# KiCad board ThunderKillV1.kicad_pcb (continued)
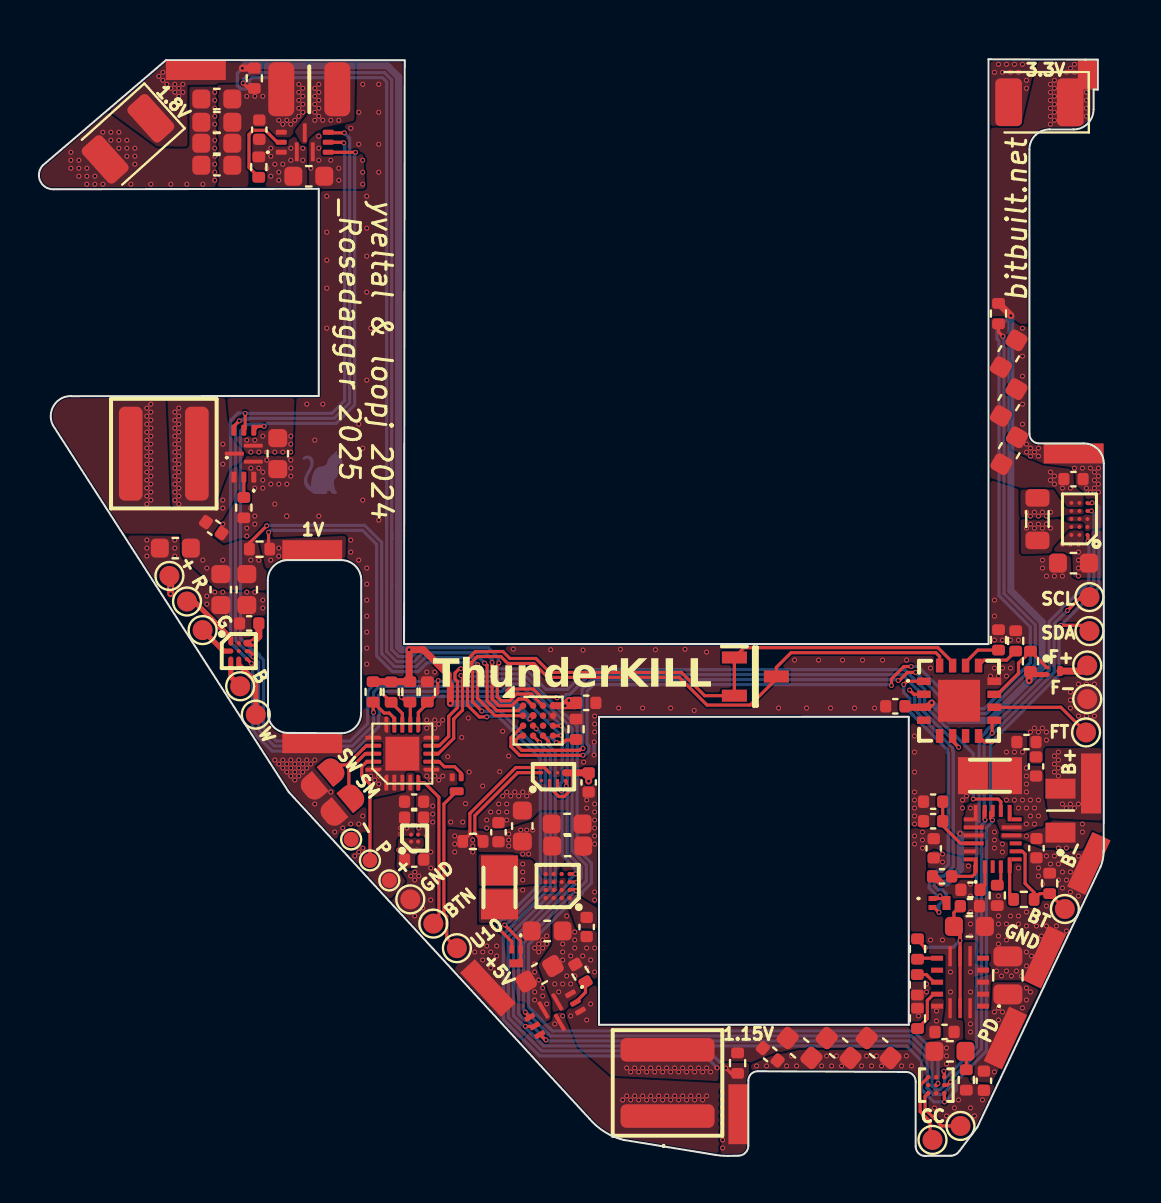
[diagram p0: board, top side]
## Nets
+1V0: R16.2 TP4.1 U8.B1
+1V8: C5.1 R4.1 R5.1 R13.2 R33.2 TP2.1 U8.A2 U8.B2
+1V8_ALW: C25.1 C47.2 TP10.1 U5.4 U6.A2
+1V15: R32.2 TP3.1 U8.D3
+3V3: C49.1 C189.1 IC2.3 Q4.2 R9.2 R34.2 TP1.1 U8.C1
+5V: IC6.B2 R35.2 TP26.1
GND: C1.2 C2.2 C3.2 C4.2 C5.2 C6.2 C7.2 C8.2 C9.2 C10.2 C11.2 C12.2 C13.2 C14.2 C15.2 C16.2 C17.2 C18.2 C19.2 C20.2 C21.2 C22.2 C23.2 C25.2 C26.2 C27.2 C28.2 C29.2 C30.2 C32.2 C33.2 C34.2 C35.2 C36.2 C37.1 C38.2 C39.2 C40.2 C41.2 C42.2 C43.2 C44.2 C46.1 C47.1 C48.1 C49.2 C50.2 C189.2 IC1.14 IC1.15 IC1.22 IC2.12 IC2.17 IC3.A2 IC3.B2 IC3.C2 IC4.A2 IC5.1 IC5.2 IC5.3 IC5.13 IC6.C2 JP1.1 JP2.1 Q1.2 R1.2 R2.2 R3.2 R7.1 R8.2 R10.2 R11.2 R14.2 R15.2 R17.2 R18.2 R19.2 TP5.1 TP7.1 TP11.1 TP22.1 TP25.1 TP28.1 TP31.1 U1.1 U1.2 U2.1 U2.2 U3.1 U3.2 U4.B1 U4.C1 U4.C2 U4.C3 U5.1 U5.2 U5.3 U5.6 U5.10 U5.15 U5.16 U5.20 U5.21 U6.B2 U8.B4 U9.C2
VBUS: C37.2 C44.1 C45.1 IC1.18 IC5.8 IC5.14 U9.A2
VDD: C1.1 C7.1 C15.1 C16.1 C22.1 C26.1 C34.1 C41.1 C46.2 C48.2 C50.1 IC1.9 IC3.A3 IC3.A4 IC4.A3 IC6.B1 IC6.D2 L6.2 TP27.1 U1.3 U2.3 U3.3 U4.A2 U4.A3 U6.A1 U6.B1 U8.A4 U9.A3
+BATT: C36.1 F1.1 IC1.8
ALERT: IC2.6 R13.1 U5.12
BQ_INT: IC1.11 U5.9
BTN: TP30.1 U5.5
EN: IC3.B1 R7.2 U1.4 U2.4 U3.4 U4.A1 U5.11
PD_INT: U5.8 U9.B2
SAFEMODE: JP1.2 U5.18
SCL: IC1.13 IC2.9 IC3.C1 IC4.B3 IC6.D1 R5.2 TP9.1 U1.6 U2.6 U3.6 U4.D1 U5.14 U8.C4 U9.B3
SDA: IC1.12 IC2.8 IC3.D1 IC4.C3 IC6.C1 R4.2 TP8.1 U1.5 U2.5 U3.5 U4.E1 U5.13 U8.D4 U9.C3
SW/BTN: JP2.2 U5.17
U10: Q1.3 TP6.1
UPDI: TP12.1 U5.19
Net-(C45-Pad2): C45.2 R19.1
Net-(F1-Pad2): F1.2 TP24.1
Net-(IC1-BTST_1): C31.2 IC1.1 IC1.19
Net-(IC1-D+): IC1.5 IC1.20 R12.1
Net-(IC1-ILIM): IC1.4 R10.1
Net-(IC1-PMID): C32.1 C33.1 IC1.17
Net-(IC1-REGN): C35.1 IC1.2
Net-(IC1-STAT_1): IC1.10 IC1.21
Net-(IC1-SW): C31.1 IC1.16 L6.1
Net-(IC1-TS): IC1.6 R12.2 R14.1 TP23.1
Net-(IC2-DN1): IC2.1 Q2.1 Q2.3
Net-(IC2-DN2/DP3): IC2.15 Q3.1 Q3.2 Q5.2
Net-(IC2-DP1): IC2.2 Q2.2
Net-(IC2-DP2/DN3): IC2.16 Q3.3 Q5.1 Q5.3
Net-(IC2-PWM): IC2.11 Q4.1 R9.1
Net-(IC2-SHDN_SEL): IC2.13 R17.1
Net-(IC2-TACH): IC2.10 TP21.1
Net-(IC2-TRIP_SET): IC2.14 R15.1
Net-(IC3-CAP): C28.1 IC3.A1
Net-(IC3-HVLX_1): IC3.C3 IC3.C4 L5.2
Net-(IC3-LVLX_1): IC3.B3 IC3.B4 L5.1
Net-(IC3-OUT_1): C29.1 C30.1 C38.1 C39.1 IC3.D3 IC3.D4 IC6.A2 R35.1
Net-(IC4-OUT0): IC4.A1 TP18.1
Net-(IC4-OUT1): IC4.B1 TP19.1
Net-(IC4-OUT2): IC4.C1 TP15.1
Net-(IC4-OUT3): IC4.C2 TP17.1
Net-(IC5-EN): C27.1 C40.1 IC5.4 IC5.6 IC5.16 TP14.1
Net-(IC5-FLTB): IC5.9 R20.1
Net-(IC5-ILIM): IC5.11 R11.1
Net-(IC5-MOUT_1): C42.1 C43.1 IC5.7 IC5.15 R20.2
Net-(IC5-VLIM): IC5.12 R18.1
Net-(Q1-G): Q1.1 U5.7
Net-(Q4-D): Q4.3 TP20.1
Net-(U1-SW): L1.1 U1.7
Net-(U1-VOS): C2.1 C3.1 C4.1 C6.1 L1.2 R16.1 U1.8 U8.A1
Net-(U1-VSET): R1.1 U1.9
Net-(U2-SW): L2.1 U2.7
Net-(U2-VOS): C8.1 C9.1 C10.1 C11.1 L2.2 R32.1 U2.8 U8.D2
Net-(U2-VSET): R2.1 U2.9
Net-(U3-SW): L3.1 U3.7
Net-(U3-VOS): C17.1 C18.1 C19.1 C20.1 C21.1 L3.2 R33.1 U3.8 U8.A3
Net-(U3-VSET): R3.1 U3.9
Net-(U4-LX1): L4.1 U4.B2 U4.B3
Net-(U4-LX2): L4.2 U4.D2 U4.D3
Net-(U4-VOUT): C12.1 C13.1 C14.1 C23.1 R34.1 U4.E2 U4.E3 U8.D1
Net-(U8-ADDRSEL): R8.1 U8.C2
Net-(U9-CC1): TP16.1 U9.C1
Net-(U9-CC2): TP13.1 U9.A1

Pads without a net: IC1 3 7; IC2 4 5 7; IC3 D2; IC4 B2; IC5 5 10; IC6 A1; U8 B3 C3; U9 B1

## Via types
v1: diameter 0.25, hole 0.15, Top to Bottom, 867 vias

## Routing (per net, layer and track width the routed paths; a pad name or vN(x,y) marks a point on that pad's centre or on a via; arc(x,y) is an arc through that point)
+1V0: length 22.1
  Top w0.16: v1(21.89,24.57) 21.88,24.56 21.88,22.89 22.75,22.02 U8.B1 ; v1(11.43,31.19) 11.43,30.41 R16.2
  Bottom w0.16: v1(11.43,31.19) 11.53,31.29 16.13,31.29 16.84,30.58 16.84,25.02 17.63,24.23 18.92,24.23 19.37,24.67 21.79,24.67 v1(21.89,24.57)
  vias: v1(11.54,29.8) v1(11.94,30.4) v1(11.94,30)
+1V8: length 97.4
  Top w0.16: v1(22.61,24.68) 22.61,22.87 22.96,22.52 23.6,22.52 23.94,22.85 24.33,22.85 U8.A2 ; v1(24.51,21.86) U8.B2
  Top w0.35: v1(10.12,54.4) 10.13,54.41 R33.2 ; v1(20.53,22.64) 20.53,23.55 20.41,23.67 20.41,24.08 19.18,25.32 v1(18.46,25.32) 18.46,23.76 R13.2 R5.1 ; U8.B2 24.66,22.03
  Bottom w0.16: v1(22.62,24.68) 22.62,24.82 22.27,25.17 19.16,25.17 18.71,24.73 17.84,24.73 17.34,25.22 17.34,31.63 17.34,31.63 17.34,53.72 17.13,53.93 10.61,53.93 10.47,53.79 10.47,53.54 10.29,53.37 10.04,53.37 9.87,53.54 9.87,54.15 v1(10.12,54.4)
  Bottom w0.35: 24.48,21.89 23.73,22.64 21.94,22.64 21.93,22.64 v1(20.53,22.64) ; v1(18.46,25.32) 18.08,25.32 17.94,25.47 17.94,25.49 17.93,25.6 17.94,25.9 17.94,28.39 17.94,28.4 17.94,28.54 17.94,30.71 17.94,30.71 17.94,31.28 17.94,31.29 17.94,53.96 17.48,54.42 17.38,54.52 10.25,54.53 v1(10.12,54.4)
  vias: v1(5.94,54) v1(6.14,54.2) v1(6.14,53.8) v1(6.34,53.6) v1(6.54,53.4) v1(6.74,53.6) v1(6.74,53.2) v1(6.94,53.4) v1(6.94,53) v1(7.14,53.6) v1(7.14,53.2)
+1V8_ALW:
  vias: v1(18.04,16.4) v1(18.04,16.1) v1(18.34,16.4)
+1V15: length 28
  Top w0.16: v1(34.3,4.39) 34.56,4.13 R32.2 ; v1(25.43,20.61) 25.43,20.75 U8.D3
  Bottom w0.16: v1(34.3,4.39) 34.17,4.53 34.17,4.53 33.99,4.7 33.99,4.7 33.44,5.25 25.09,5.25 24.67,5.67 24.35,5.99 24.35,5.99 23.91,6.43 23.91,6.43 23.74,6.61 23.74,6.61 23.42,6.92 23.42,10.97 23.46,11.01 23.47,11.01 23.79,11.33 25.77,13.32 25.77,20.19 25.43,20.53 v1(25.43,20.61)
  vias: v1(34.14,3.2) v1(34.14,2.8) v1(34.14,2.4) v1(34.14,2) v1(34.14,1.6) v1(34.14,1.2) v1(34.14,0.8) v1(34.14,0.4)
+3V3: length 80.5
  Top w0.16: v1(27.16,20.04) 23.99,20.04 23.55,20.48 23.55,20.92 24.15,21.52 U8.C1 24.16,21.53 ; v1(43.58,24.48) 43.21,24.48 42.59,23.86 v1(42.59,23.53)
  Top w0.254: R9.2 49.7,24.08 Q4.2
  Top w0.35: R34.2 47.95,42.64 v1(48.56,42.03) ; R9.2 49.48,24.17 v1(49.48,23.77) ; 44.6,22.64 44.4,22.44 IC2.3 43.31,22.44 C49.1
  Bottom w0.16: v1(48.56,42.03) 47.87,41.34 47.87,40.86 47.97,40.76 47.97,28.02 49.53,26.46 49.53,24.67 47.24,22.37 46.03,22.37 43.92,24.48 v1(43.58,24.48) ; v1(27.16,20.04) 27.24,20.04 27.46,20.26 27.46,20.5 27.37,20.59 27.37,23.25 27.69,23.57 42.58,23.57 42.59,23.56 v1(42.59,23.53)
  Bottom w0.35: v1(44.6,22.67) 45.49,21.78 47.48,21.78 v1(49.48,23.77) 50.13,24.42 50.13,26.7 48.56,28.27 v1(48.56,42.03)
  vias: v1(50.54,53.6) v1(50.54,53.2) v1(50.54,52.8) v1(50.54,52.4) v1(50.54,52) v1(50.54,51.6) v1(50.74,53.8) v1(50.74,53.4) v1(50.74,53) v1(50.74,52.6) v1(50.74,52.2) v1(50.74,51.8) v1(51.34,54.2) v1(51.54,54.4) v1(51.74,54.6) v1(51.74,54.2) v1(52.34,53.2) v1(52.34,52.8) v1(52.34,52.4) v1(52.34,52)
+5V: length 6.6
  Top w0.16: R35.2 21.5,16.09 21.5,17.13 23.8,19.43 25.23,19.43 IC6.B2
  vias: v1(20.74,16) v1(20.74,15.6) v1(20.74,15.2) v1(21.64,15.8) v1(21.64,15.5) v1(21.64,15.2) v1(21.74,10.2) v1(22.14,10.2) v1(22.14,9.8) v1(22.34,10.5) v1(22.54,10.2) v1(22.54,9.4) v1(22.84,10.5) v1(22.84,10)
GND: length 1
  Top w0.35: C23.2 48.87,35.94 ; C39.2 27.17,15.18
  Bottom w0.16: v1(27.71,20.05) 27.71,20.69 v1(27.72,20.7)
  vias: v1(1.54,50.2) v1(1.54,49.8) v1(1.54,49.4) v1(1.94,49.8) v1(1.94,49.4) v1(1.94,49) v1(2.34,49.4) v1(2.34,49) v1(2.34,48.6) v1(2.74,49) v1(2.74,48.6) v1(3.14,51.2) v1(3.14,48.6) v1(3.54,51.2) v1(3.54,50.8) v1(3.94,51.2) v1(3.94,50.8) v1(3.94,50.4) v1(4.34,50.8) v1(4.34,50.4) v1(4.34,50) v1(4.54,48.6) v1(4.74,50.4) v1(4.74,50) v1(4.74,49.6) v1(5.34,30.8) v1(5.34,30.4) v1(5.34,30) v1(5.54,48.6) v1(6.54,48.6) v1(6.74,30.8) v1(6.74,30.4) v1(6.74,30) v1(7.34,48.6) v1(8.14,48.6) v1(8.34,28) v1(8.34,27.6) v1(8.74,53.2) v1(8.74,52.8) v1(8.74,52.4) v1(8.74,52) v1(8.74,51.6) v1(8.74,51.2) v1(8.74,50.8) v1(8.74,50.4) v1(8.74,50) v1(8.74,49.6) v1(8.74,49.2) v1(8.74,48.8) v1(8.74,28.2) v1(9.14,31.6) v1(9.14,28.2) v1(9.14,26.8) v1(10.34,31.4) v1(10.34,31) v1(10.34,28.2) v1(10.54,34.4) v1(10.54,32.4) v1(10.74,33.4) v1(10.74,32) v1(10.74,31.6) v1(10.74,28.2) v1(10.94,34.4) v1(11.14,34.2) v1(11.14,33.8) v1(11.14,33.4) v1(11.14,27.8) v1(11.14,27.4) v1(11.34,49.4) v1(11.34,34.8) v1(11.54,50.4) v1(11.54,50) v1(11.54,49) v1(11.54,33.6) v1(11.74,49.6) v1(11.74,32.6) v1(11.74,19.8) v1(11.94,49.2) v1(11.94,48.8) v1(11.94,33.6) v1(11.94,19.6) v1(12.14,49.6) v1(12.14,19.8) v1(12.14,19.4) v1(12.34,33.6) v1(12.34,32) v1(12.34,32) v1(12.34,19.6) v1(12.34,19.2) v1(12.54,50.4) v1(12.54,49.8) v1(12.54,34.8) v1(12.54,34.4) v1(12.54,34) v1(12.54,19.8) v1(12.54,19.4) v1(12.54,19) v1(12.74,19.6) v1(12.74,19.2) v1(12.74,18.8) v1(12.94,19.8) v1(12.94,19.4) v1(12.94,19) v1(13.14,50.4) v1(13.14,49.8) v1(13.14,19.6) v1(13.14,19.2) v1(13.34,37.6) v1(13.34,19.8) v1(13.34,19.4) v1(13.54,19.6) v1(13.74,35.8) v1(13.74,19.8) v1(13.74,17.6) v1(13.94,32) v1(14.14,37.6) v1(14.34,48) v1(14.34,46.2) v1(14.34,44.8) v1(14.34,43.4) v1(14.34,41.4) v1(14.54,18.2) v1(14.74,16.2) v1(15.14,16.4) v1(15.54,51.4) v1(15.54,30.8) v1(15.54,30.2) v1(15.54,16.6) v1(15.74,15) v1(15.94,52.2) v1(15.94,50.6) v1(15.94,36.6) v1(15.94,29.8) v1(15.94,16.6) v1(15.94,15.2) v1(16.14,53.6) v1(16.14,35.4) v1(16.14,32.8) v1(16.14,17) v1(16.14,15.4) v1(16.34,48) v1(16.34,46.4) v1(16.34,45) v1(16.34,43.2) v1(16.34,38.8) v1(16.34,29.4) v1(16.34,28.6) v1(16.34,27.8) v1(16.34,27) v1(16.34,26.2) v1(16.34,25.4) v1(16.34,24.6) v1(16.54,41.4) v1(16.54,19) v1(16.74,18.8) v1(16.94,53.6) v1(16.94,52.2) v1(16.94,50.6) v1(16.94,49.2) v1(16.94,31.8) v1(16.94,19) v1(16.94,18.6) v1(18.54,14) v1(18.74,14.2) v1(18.74,13.8) v1(18.74,12) v1(18.94,16.4) v1(18.94,14) v1(19.14,12.4) v1(19.34,24.2) v1(19.34,21.8) v1(19.34,21.4) v1(19.34,19) v1(19.34,16.4) v1(19.34,16) v1(19.54,21.6) v1(19.54,18.8) v1(19.54,15.2) v1(19.54,14.4) v1(19.54,12.8) v1(19.64,17.5) v1(19.64,17.1) v1(19.64,16.7) v1(19.74,24.2) v1(19.74,21.8) v1(19.74,21.4) v1(19.74,19) v1(19.94,21.6) v1(19.94,18.8) v1(20.14,21.8) v1(20.14,19) v1(20.39,19.97) v1(20.54,16.7) v1(21.09,20.93) v1(21.14,16.7) v1(21.28,17.62) v1(21.42,21.9) v1(21.46,19.2) v1(22.14,18.5) v1(22.34,16.8) v1(22.34,16.4) v1(22.54,17.2) v1(22.99,19.22) v1(22.94,17.6) v1(22.94,17.2) v1(23.14,21.24) v1(23.14,18) v1(23.34,18.2) v1(23.34,17.6) v1(23.34,17.2) v1(23.34,16.8) v1(23.44,20) v1(23.54,18) v1(23.67,25.35) v1(23.74,18.2) v1(23.94,18) v1(24.14,18.2) v1(24.34,18) v1(24.54,18.2) v1(25.54,25.32) v1(25.74,8.6) v1(25.94,8.2) v1(26.14,10.6) v1(26.14,10.2) v1(26.14,9.8) v1(26.14,8.6) v1(26.34,12) v1(26.34,9) v1(26.54,10) v1(26.54,8.6) v1(26.74,11.2) v1(26.74,10.8) v1(26.74,10.4) v1(26.74,9) v1(27.16,25.3) v1(27.19,19.7) v1(27.14,10) v1(27.34,17.8) v1(27.34,17.4) v1(27.34,10.4) v1(27.34,9.4) v1(27.54,9.8) v1(27.74,22) v1(27.74,21.6) v1(27.74,21.2) v1(27.74,17.6) v1(27.74,17.2) v1(27.74,16.8) v1(27.74,16.4) v1(27.74,16) v1(27.74,15.6) v1(27.74,13.2) v1(27.74,12.8) v1(27.74,10.4) v1(27.74,9.2) v1(28.94,22.4) v1(29.03,25.34) v1(30.14,22.4) v1(30.78,25.32) v1(31.54,22.4) v1(32.26,25.34) v1(32.72,22.28) v1(33.34,25.2) v1(35.84,4.5) v1(36.34,4.5) v1(36.94,22.4) v1(37.34,4.5) v1(37.59,5) v1(37.74,24.8) v1(37.84,4.5) v1(38.34,22.4) v1(38.94,24.8) v1(39.09,4.5) v1(39.34,5) v1(39.54,22.4) v1(39.59,4.5) v1(39.84,5) v1(40.09,4.5) v1(40.14,24.8) v1(40.74,22.4) v1(41.09,4.5) v1(41.14,24.8) v1(41.34,5) v1(41.59,4.5) v1(41.74,22.4) v1(41.84,5) v1(42.09,4.5) v1(42.14,24.8) v1(43.09,4.5) v1(43.34,24.8) v1(43.34,5) v1(43.59,4.5) v1(43.74,21) v1(43.74,20.2) v1(43.74,19.2) v1(43.74,18.2) v1(43.74,17.8) v1(43.74,17.4) v1(43.74,17) v1(43.74,16.6) v1(43.94,7) v1(44.34,8.6) v1(44.34,8.2) v1(44.54,24.4) v1(44.74,2.4) v1(44.84,7.25) v1(44.84,6.75) v1(45.14,15.1) v1(45.14,14.7) v1(45.34,2) v1(45.74,2.4) v1(45.94,2.8) v1(46.44,14.5) v1(46.54,17.4) v1(46.54,13.6) v1(46.54,13) v1(46.54,12.2) v1(46.54,11.6) v1(46.54,11) v1(46.54,2.4) v1(46.74,2) v1(47.14,2.8) v1(47.54,24) v1(47.74,54.2) v1(47.74,27.8) v1(47.74,27) v1(47.74,25.8) v1(47.74,24.4) v1(47.74,16.2) v1(47.74,15.8) v1(47.74,15.4) v1(47.84,9.25) v1(47.94,54.6) v1(47.94,24) v1(47.94,13) v1(47.94,12) v1(47.94,11.6) v1(47.94,11) v1(47.94,10.6) v1(48.09,9) v1(48.14,54.2) v1(48.14,25.8) v1(48.14,24.4) v1(48.14,15.6) v1(48.14,15.2) v1(48.34,54.6) v1(48.34,24) v1(48.34,11.6) v1(48.34,10.8) v1(48.34,9.25) v1(48.54,54.2) v1(48.54,25.8) v1(48.54,24.4) v1(48.54,12) v1(48.59,9) v1(48.74,54.6) v1(48.84,9.25) v1(48.94,54.2) v1(48.94,25.8) v1(48.94,14.4) v1(48.94,12) v1(48.94,11.6) v1(49.09,9) v1(49.14,54.6) v1(49.14,41.4) v1(49.14,40) v1(49.14,39) v1(49.14,37.6) v1(49.14,36.6) v1(49.34,53.8) v1(49.34,53.4) v1(49.34,35.6) v1(49.34,35.2) v1(49.34,12.2) v1(49.34,11.5) v1(49.34,10.2) v1(49.34,9.5) v1(49.54,35.4) v1(49.54,35) v1(49.54,21.2) v1(49.59,10) v1(49.74,35.2) v1(49.74,21.4) v1(49.84,11.5) v1(49.94,35.4) v1(49.94,35) v1(49.94,21.2) v1(49.94,14.4) v1(49.94,14) v1(50.09,11) v1(50.14,29.8) v1(50.14,29.4) v1(50.14,21.4) v1(50.14,13.6) v1(50.34,29) v1(50.34,21.2) v1(50.34,20.8) v1(50.34,15) v1(50.34,12.5) v1(50.34,11.5) v1(50.54,14.6) v1(50.74,29) v1(50.74,15) v1(50.84,11.5) v1(50.94,14.6) v1(50.94,13.8) v1(51.14,29) v1(51.14,14.2) v1(51.14,13.4) v1(51.34,13.8) v1(51.34,11.25) v1(51.54,23.2) v1(51.54,22.8) v1(51.54,22.4) v1(51.54,14.2) v1(51.54,13.2) v1(51.74,34.4) v1(51.94,23.6) v1(51.94,22) v1(51.94,15) v1(51.94,13) v1(52.14,34.4) v1(52.34,33.4) v1(52.34,23.6) v1(52.34,22) v1(52.54,34.4) v1(52.54,33.2) v1(52.74,34.2) v1(52.74,33.8) v1(52.74,33.4) v1(52.74,23.6) v1(52.74,22) v1(52.94,34.4) v1(52.94,34) v1(52.94,33.6) v1(52.94,33.2)
VBUS:
  vias: v1(43.74,16) v1(43.74,15.6) v1(44.14,16.2) v1(44.14,15.8) v1(44.14,15.4) v1(44.54,10.8) v1(45.14,10.8) v1(45.34,5.8) v1(45.34,5.4) v1(45.34,5) v1(45.34,4.6) v1(45.54,9.2) v1(45.54,8.2)
VDD: length 9
  Top w0.16: IC6.B1 25.48,18.44 25.95,17.98 26.22,17.98 26.64,18.4 26.64,19.16 ; v1(45.21,4.24) 45.23,4.21 U9.A3
  Top w0.35: v1(6.53,28.12) v1(6.53,28.4) 6.53,28.95 TP27.1 ; v1(26.27,22.52) 26.76,22.52 26.84,22.6 ; v1(26.27,22.52) U8.A4 ; v1(26.27,22.52) 26.27,22.6 v1(26.45,22.78) 26.72,22.78 C48.2 ; v1(27.44,18.74) C50.1 26.29,19.16 IC6.D2 ; C41.1 10.94,25.98 10.61,25.65 ; 10.61,25.65 IC4.A3 ; 10.61,25.65 v1(10.65,25.68) ; C15.1 52.47,29.81
  vias: v1(10.34,35.8) v1(10.54,35.2) v1(10.74,35.8) v1(10.94,35.2) v1(11.14,36) v1(11.34,35.2) v1(11.74,35.2) v1(12.14,35.2) v1(12.54,36) v1(12.54,35.6) v1(12.54,35.2) v1(13.54,49.4) v1(13.94,51) v1(13.94,50.4) v1(13.94,49.8) v1(14.54,49.8) v1(14.94,49.4) v1(14.94,48.8) v1(16.14,49.8) v1(16.14,49.2) v1(16.14,48.6) v1(17.94,15.3) v1(18.24,15.3) v1(18.54,15.3) v1(18.84,15.3) v1(24.74,10.4) v1(24.74,9.6) v1(24.74,9.2) v1(24.74,8.2) v1(24.74,7.8) v1(24.94,10.6) v1(24.94,10.2) v1(24.94,8.8) v1(25.14,10.8) v1(25.14,10.4) v1(25.14,8.4) v1(25.14,8) v1(25.34,11) v1(25.34,10.6) v1(25.34,7.6) v1(48.34,20.2) v1(48.34,17.8) v1(48.74,20.2) v1(48.74,17.8) v1(48.94,17.4) v1(49.14,20.2) v1(49.14,17.8) v1(49.34,19.4) v1(49.34,19.4) v1(49.34,19) v1(49.34,18.6) v1(49.34,18.2) v1(49.34,17.4) v1(49.34,16.6) v1(49.54,17.8) v1(49.54,17) v1(49.74,17.4) v1(49.74,16.6) v1(49.94,17.8) v1(49.94,17) v1(51.14,30.6) v1(51.54,30.6) v1(51.94,30.6) v1(51.94,30.2) v1(51.94,29.8) v1(51.94,29.4) v1(51.94,29)
+BATT:
  vias: v1(49.34,16) v1(50.94,15.4) v1(51.34,15.4) v1(52.14,16.6) v1(52.14,16.2)
ALERT: length 33.2
  Top w0.16: v1(18.08,22.94) 18.32,22.7 R13.1 18.52,22.68 U5.12 ; v1(45.95,20.44) 45.59,20.79 45.59,20.95 IC2.6 ; v1(25.86,22.91) 25.82,22.95 25.08,22.95 24.68,23.35 23.46,23.35 23.36,23.26 v1(23.36,23.06)
  Bottom w0.16: v1(45.95,20.44) 45.95,20.5 45.27,21.19 45.23,21.19 44.16,22.25 44.16,22.27 44.01,22.42 44.01,23.22 43.92,23.31 43.9,23.31 43.57,23.64 43.57,23.64 43.25,23.96 43.25,23.96 43.14,24.07 27.48,24.07 26.49,23.07 26.33,23.07 26.17,22.91 v1(25.86,22.91) ; v1(18.08,22.94) 18.12,22.99 19.65,22.99 20.7,22.98 20.7,22.98 21.57,22.98 21.57,22.98 23.28,22.98 v1(23.36,23.06)
BQ_INT: length 37.8
  Top w0.16: v1(46.68,17.85) 47.93,17.85 48.06,17.72 IC1.11 ; U5.9 19.97,20.52 20.44,20.99 20.44,21.99 20.87,22.41 20.87,22.78 20.88,22.79 20.88,23.73 20.76,23.86 20.76,24.15 20.98,24.37 v1(21.05,24.37)
  Bottom w0.16: v1(46.68,17.85) 46.68,20.12 46.25,20.56 45.37,21.44 45.34,21.44 44.41,22.36 44.41,22.37 44.26,22.53 44.26,23.33 44.02,23.56 44.01,23.56 43.68,23.89 43.68,23.89 43.5,24.06 43.5,24.06 43.25,24.32 27.38,24.32 26.4,23.34 25.3,23.34 24.29,24.36 22.82,24.36 22.7,24.23 21.27,24.23 21.13,24.37 v1(21.05,24.37)
BTN: length 7.8
  Top w0.16: TP30.1 19.95,11.9 19.95,17.94 19.22,18.67 U5.5
EN: length 128.9
  Top w0.16: v1(19.92,23.78) 19.89,23.76 19.89,23.15 18.92,22.18 U5.11 ; v1(11.21,36.49) 10.88,36.49 U1.4 10.71,36.32 ; v1(52.42,30.74) 52.42,31.03 U4.A1 ; IC3.B1 26.51,13.32 26.77,13.32 v1(26.84,13.26) ; v1(24.28,7.19) 24.28,7.16 U2.4 ; v1(15.78,50.2) U3.4
  Bottom w0.16: v1(15.78,50.2) 15.74,50.16 15.74,37.57 14.81,36.64 11.36,36.64 v1(11.21,36.49) 11.12,36.58 10.34,36.58 10.03,36.26 10.03,25.89 10.66,25.26 10.78,25.26 10.95,25.09 10.95,25.02 11.03,24.95 11.03,24.95 11.18,24.8 11.18,21.42 11.24,21.33 11.82,20.75 15.52,20.75 16.39,21.62 16.39,23.25 16.88,23.73 19.87,23.73 v1(19.92,23.78) 19.96,23.73 20.58,23.73 20.58,23.73 21.01,23.73 21.02,23.73 21.26,23.73 21.26,23.73 22.91,23.73 23.03,23.86 24.08,23.86 26.13,21.8 26.2,21.8 26.62,21.38 26.62,15.25 27.33,14.54 27.33,13.75 26.97,13.39 26.97,13.39 v1(26.84,13.26) 26.77,13.26 24.18,10.67 24.18,7.34 24.49,7.03 24.5,7.03 24.82,6.71 24.82,6.7 25.42,6.1 25.43,6.1 25.53,6 43.59,6 44.62,4.97 44.62,3.5 44.79,3.33 45.04,3.33 45.25,3.54 45.25,3.86 46.84,5.45 46.84,16.63 46.98,16.76 46.98,16.94 46.98,20.85 47.33,21.2 47.33,21.26 47.5,21.43 47.63,21.43 50.47,24.28 50.47,26.72 51.1,27.34 51.1,27.4 51.27,27.57 51.34,27.57 52.46,28.7 52.46,30.7 v1(52.42,30.74) ; 24.23,7.29 24.23,7.24 v1(24.28,7.19)
PD_INT: length 50.5
  Top w0.16: U9.B2 v1(44.92,3.62) ; U5.8 19.93,20.12 20.69,20.89 20.69,21.86 21.13,22.3 21.13,23.95 v1(21.05,24.03)
  Bottom w0.16: v1(21.05,24.03) 21.1,23.98 22.8,23.98 22.93,24.11 24.18,24.11 26.22,22.07 26.29,22.07 26.87,21.49 26.87,15.36 27.58,14.65 27.58,13.64 27.13,13.2 27.13,13.13 26.96,12.96 26.83,12.96 24.43,10.56 24.43,7.45 25.07,6.81 25.07,6.8 25.53,6.35 25.53,6.35 25.63,6.25 43.69,6.25 44.92,5.03 v1(44.92,3.62)
SAFEMODE: length 2.7
  Top w0.16: U5.18 16.27,20.12 15.45,19.3 15.45,18.2
SCL: length 135.4
  Top w0.16: IC3.C1 26.82,13.7 v1(26.84,13.68) ; IC4.B3 10.46,25.25 10.66,25.05 v1(10.66,24.97) ; IC6.D1 26.33,18.73 v1(26.33,18.5) ; v1(47.62,21.14) 47.62,21.68 IC2.9 ; U8.C4 25.67,21.51 v1(26.07,21.51) ; v1(45.54,3.7) 45.38,3.54 U9.B3 ; TP9.1 52.06,27.95 v1(51.39,27.28) ; v1(16.68,22.18) 16.66,22.2 R5.2 17.21,22.15 17.47,22.15 17.72,21.89 U5.14 ; v1(9.97,36.77) 9.69,36.49 U1.6 ; v1(47.27,16.81) 47.23,16.86 47.23,17.22 IC1.13 ; v1(15.22,51.17) 14.45,51.17 U3.6 ; v1(25.31,5.8) 25.27,5.8 U2.6 ; v1(52.59,32.26) U4.D1
  Bottom w0.16: v1(26.33,18.5) 26.37,18.54 26.37,18.57 ; 26.37,18.57 26.37,15.15 27.08,14.44 27.08,13.91 v1(26.84,13.68) 26.71,13.55 26.71,13.55 26.54,13.38 23.93,10.77 23.93,7.11 24.27,6.78 24.4,6.78 24.57,6.6 24.57,6.54 v1(25.31,5.8) 25.25,5.8 25.3,5.75 43.49,5.75 44.37,4.87 44.37,3.4 44.69,3.08 45.14,3.08 45.54,3.48 v1(45.54,3.7) 45.54,3.8 47.09,5.35 47.09,16.52 47.27,16.7 v1(47.27,16.81) 47.23,16.86 47.23,20.74 v1(47.62,21.14) 47.69,21.14 50.72,24.18 50.72,26.61 51.39,27.28 v1(51.39,27.28) 52.71,28.6 52.71,30.62 52.72,30.62 52.72,30.86 52.71,32.14 v1(52.59,32.26) ; 26.37,18.57 26.37,21.22 v1(26.07,21.51) 23.98,23.61 23.13,23.61 23.01,23.48 21.36,23.48 21.36,23.48 20.91,23.48 20.91,23.48 20.48,23.48 20.48,23.48 20.11,23.48 19.86,23.48 19.86,23.48 16.98,23.48 16.68,23.19 v1(16.68,22.18) 16.68,21.56 15.62,20.5 11.72,20.5 11.05,21.17 10.93,21.35 10.93,24.69 10.93,24.7 v1(10.66,24.97) 10.6,24.97 9.78,25.78 9.78,36.58 v1(9.97,36.77) 10.06,36.77 10.14,36.85 10.39,36.85 10.43,36.89 14.71,36.89 15.49,37.67 15.49,50.91 v1(15.22,51.17)
SDA: length 137.4
  Top w0.16: v1(52.63,32.67) 52.59,32.63 52.42,32.63 U4.E1 ; U9.C3 45.23,2.89 45.24,2.88 v1(45.24,2.7) ; v1(26.07,21.03) 26.06,21.02 U8.D4 ; v1(47.64,16.8) 47.55,16.89 47.55,17.16 IC1.12 ; v1(26.08,18.27) 25.88,18.46 IC6.C1 ; v1(47.61,20.71) 47.25,20.71 IC2.8 ; U1.5 10.26,36.37 v1(10.26,37.14) ; IC4.C3 10.36,24.85 v1(10.58,24.63) ; 24.89,6.53 24.84,6.59 ; TP8.1 52.21,26.54 v1(51.07,26.54) ; v1(26.78,14.11) 26.5,14.11 IC3.D1 ; v1(17.1,23.19) 17.1,23.15 R4.2 18.12,22.13 U5.13 ; U3.5 15.16,50.7 v1(15.19,50.67) ; v1(24.28,6.48) 24.73,6.48 U2.5
  Bottom w0.16: 26.03,18.47 26.03,18.62 26.12,18.71 26.12,20.98 v1(26.07,21.03) 23.75,23.36 23.24,23.36 23.11,23.23 21.47,23.23 21.47,23.23 20.81,23.23 20.81,23.23 20.38,23.23 19.76,23.23 17.15,23.23 v1(17.1,23.19) 16.93,23.02 16.93,22.35 16.98,22.3 16.98,22.06 16.93,22.01 16.93,21.46 15.73,20.25 11.61,20.25 10.92,20.94 10.89,20.95 10.64,21.34 10.64,24.57 v1(10.58,24.63) 9.53,25.68 9.53,36.78 9.91,37.16 10.24,37.16 v1(10.26,37.14) 14.6,37.14 15.24,37.77 15.24,50.62 v1(15.19,50.67) ; 26.03,18.47 26.03,18.31 v1(26.08,18.27) ; 26.03,18.47 26.03,18.38 26.12,18.29 26.12,15.05 26.38,14.78 26.38,14.76 26.77,14.37 26.77,14.1 v1(26.78,14.11) 26.48,13.81 26.48,13.68 26.44,13.63 26.44,13.63 23.68,10.88 23.68,7.01 24.05,6.65 ; 24.05,6.65 24.6,6.1 24.6,6.1 24.77,5.92 24.77,5.92 25.2,5.5 43.34,5.5 44.09,4.75 44.09,3.32 44.72,2.7 v1(45.24,2.7) 45.84,3.29 45.84,3.74 47.34,5.25 47.34,16.42 47.64,16.72 v1(47.64,16.8) 47.55,16.89 47.55,20.65 v1(47.61,20.71) 50.97,24.07 50.97,26.44 v1(51.07,26.54) 51.52,26.99 51.52,26.99 51.69,27.16 52.96,28.43 52.96,32.21 52.97,32.21 52.97,32.46 52.79,32.63 52.67,32.63 v1(52.63,32.67) ; 24.05,6.65 24.21,6.48 v1(24.28,6.48)
SW/BTN: length 2.6
  Top w0.16: U5.17 16.32,20.52 16.17,20.37 16.17,20.37 15.35,19.55 14.48,19.55
U10: length 8.4
  Top w0.16: TP6.1 20.34,10.9 20.34,11.98 20.2,12.12 20.2,17.6 Q1.3
UPDI: length 5.5
  Top w0.16: U5.19 16.35,19.72 16.09,19.46 16.09,19 16.5,18.59 TP12.1
Net-(C45-Pad2): length 0.9
  Top w0.16: C45.2 46.33,5.19 R19.1
Net-(F1-Pad2):
  vias: v1(50.74,20) v1(50.74,19.6) v1(50.74,19.2) v1(50.94,20.2) v1(50.94,19.8) v1(50.94,19.4) v1(50.94,19) v1(51.14,17.6) v1(51.34,17.4) v1(51.54,17.6) v1(51.74,17.4) v1(51.94,17.6)
Net-(IC1-BTST_1): length 1.7
  Top w0.16: IC1.1 46.77,14.51 46.77,14.12 46.63,13.98 C31.2
Net-(IC1-D+): length 1.8
  Top w0.16: 48.53,14.52 IC1.5 48.5,13.03 R12.1
Net-(IC1-ILIM): length 1
  Top w0.16: IC1.4 48.06,13.72 R10.1
Net-(IC1-PMID): length 3.1
  Top w0.16: C33.1 45.15,16.52 46.04,15.63 IC1.17
Net-(IC1-REGN): length 1.3
  Top w0.16: IC1.2 47.26,13.55 C35.1
Net-(IC1-SW): length 3.6
  Top w0.35: v1(45.07,13.65) 44.74,13.98 C31.1
  Bottom w0.35: v1(45.07,13.65) 45.36,13.65 46.02,14.32 46.02,14.33 46.04,14.35 46.04,16.1 v1(46.02,16.12)
  vias: v1(46.14,17.8) v1(46.14,17.4) v1(46.34,18)
Net-(IC1-TS): length 5
  Top w0.16: IC1.6 49.14,15.23 49.27,15.1 49.27,13.63 49.72,13.18 R12.2 50.01,13.12 R14.1 50.5,13.11 TP23.1
Net-(IC2-DN1): length 14.7
  Top w0.16: v1(45.02,13.01) 44.88,12.88 Q2.1 45.12,12.88 Q2.3 ; IC2.1 43.36,23.74 v1(43.2,23.58)
  Bottom w0.16: v1(45.02,13.01) 44.87,13.01 44.48,13.4 44.48,13.9 44.83,14.24 45.11,14.24 45.43,14.57 45.43,14.57 45.44,14.58 45.44,14.82 45.43,14.83 45.43,14.97 45.44,14.98 45.44,15.22 45.43,15.23 45.43,20.14 45.38,20.19 45.38,20.33 43.66,22.05 43.66,22.06 43.51,22.22 43.51,22.87 43.2,23.18 43.2,23.42 43.2,23.42 v1(43.2,23.58)
Net-(IC2-DN2/DP3): length 45.8
  Top w0.16: v1(23,11.31) 23.59,10.72 Q5.2 ; v1(22.34,21.96) 21.97,21.96 21.38,22.55 21.38,24.31 21.35,24.35 21.35,24.8 21.78,25.23 23.16,25.23 23.5,24.88 24.81,24.88 25.5,24.18 32.08,24.18 33.25,23.02 Q3.2 Q3.1 35.22,25.42 44.91,25.42 45.65,24.69 IC2.15
  Bottom w0.16: v1(22.34,21.96) 22.39,22 22.91,22 25.02,19.88 25.02,13.63 23.24,11.85 23.12,11.85 22.95,11.68 22.95,11.43 23,11.38 v1(23,11.31)
Net-(IC2-DP1): length 14.3
  Top w0.16: IC2.2 43.71,23.09 43.5,23.3 v1(43.5,23.3) ; v1(44.97,12.18) 44.72,12.42 Q2.2
  Bottom w0.16: v1(43.5,23.3) 43.76,23.04 43.76,22.32 43.91,22.16 43.91,22.15 45.66,20.41 45.66,20.27 45.68,20.25 45.68,15.34 45.69,15.33 45.69,14.47 45.21,13.99 44.93,13.99 44.73,13.79 44.73,13.51 44.93,13.31 45.14,13.31 45.31,13.13 45.32,13.12 45.32,12.91 45.31,12.9 45.31,12.89 45.14,12.72 45.13,12.72 44.97,12.55 v1(44.97,12.18)
Net-(IC2-DP2/DN3): length 44.9
  Top w0.16: v1(22.1,22.25) 21.63,22.71 21.63,24.41 21.6,24.45 21.6,24.69 21.77,24.87 ; Q5.3 24.04,9.86 Q5.1 24.04,10.75 v1(23.24,11.55) ; IC2.16 45,24.98 44.81,25.17 37.57,25.17 36.83,24.44 Q3.3 36.83,23.86 35.53,22.55 33.36,22.55 31.98,23.94 25.4,23.94 24.7,24.63 23.4,24.63 23.05,24.98 21.88,24.98 21.78,24.88
  Bottom w0.16: v1(22.1,22.25) 23.01,22.25 25.27,19.98 25.27,13.53 23.3,11.55 v1(23.24,11.55)
Net-(IC2-PWM): length 4.2
  Top w0.16: Q4.1 R9.1 49.29,25 49.29,24.98 49.12,24.81 49.1,24.81 48.94,24.65 48.94,24.14 47.89,23.09 IC2.11
Net-(IC2-SHDN_SEL): length 2.2
  Top w0.16: R17.1 48.35,24.8 47.22,24.8 IC2.13
Net-(IC2-TACH): length 5.1
  Top w0.16: IC2.10 51.06,22.44 TP21.1
Net-(IC2-TRIP_SET): length 2.1
  Top w0.16: IC2.14 46.3,24.69 46.91,25.3 R15.1
Net-(IC3-HVLX_1):
  vias: v1(24.14,14.6) v1(24.14,14.2) v1(24.14,13.8)
Net-(IC3-LVLX_1):
  vias: v1(24.14,13.3)
Net-(IC3-OUT_1): length 5.7
  Top w0.16: IC6.A2 23.9,19.17 21.75,17.03 21.75,16.14 R35.1
  vias: v1(23.44,16.1) v1(23.44,15.8) v1(23.44,15.5) v1(24.04,16.3) v1(24.14,15.1) v1(24.34,16.3) v1(24.44,15.1) v1(24.64,16.3)
Net-(IC4-OUT0): length 3.5
  Top w0.16: 7.65,27.73 TP18.1
  Top w0.254: IC4.A1 9.54,25.9 7.72,27.73 TP18.1
Net-(IC4-OUT1): length 1.8
  Top w0.254: IC4.B1 9.18,25.25 TP19.1
Net-(IC4-OUT2): length 1.6
  Top w0.254: TP15.1 9.54,23.96 IC4.C1
Net-(IC4-OUT3): length 3.1
  Top w0.254: TP17.1 10.79,23.72 9.94,24.57 IC4.C2
Net-(IC5-EN):
  vias: v1(46.54,9.2) v1(46.54,8.2) v1(46.54,6.6) v1(46.54,6.2) v1(47.74,7.2) v1(47.74,4.2) v1(47.94,7.4) v1(47.94,6.8) v1(48.14,7.2) v1(49.14,7.4) v1(49.34,8.4) v1(49.34,7.8) v1(49.54,8.2)
Net-(IC5-FLTB): length 1
  Top w0.16: R20.1 43.94,9.89 IC5.9
Net-(IC5-ILIM): length 1.2
  Top w0.16: IC5.11 44.71,8.69 44.39,9.01 44.39,9.01 44.33,9.07 R11.1
Net-(IC5-MOUT_1): length 8.7
  Top w0.16: C42.1 45.78,11.48 46.02,11.25 v1(46.02,10.77) ; C42.1 46.02,11.17 IC5.7 IC5.15 ; C42.1 45.71,12.17 C43.1 ; R20.2 43.89,10.8 v1(44.28,10.41)
  Bottom w0.16: v1(44.28,10.41) 44.28,10.44 45.68,10.44 v1(46.02,10.77)
Net-(IC5-VLIM): length 2.2
  Top w0.16: IC5.12 44.7,8.09 44.38,7.77 44.38,6.86 R18.1
Net-(Q1-G): length 1.9
  Top w0.16: Q1.1 21.07,19.14 20.74,19.47 20.23,19.47 19.97,19.72 U5.7
Net-(Q4-D): length 1.5
  Top w0.35: TP20.1 52.1,24.25 Q4.3
Net-(U1-SW):
  vias: v1(6.74,37.2) v1(6.74,36.8) v1(6.74,36.4) v1(6.74,36) v1(6.74,35.6) v1(6.74,35.2) v1(6.74,34.8) v1(6.74,34.4) v1(6.74,34) v1(6.74,33.6) v1(6.74,33.2) v1(6.74,32.8) v1(6.94,37.4) v1(6.94,37) v1(6.94,36.6) v1(6.94,36.2) v1(6.94,35.8) v1(6.94,35.4) v1(6.94,35) v1(6.94,34.6) v1(6.94,34.2) v1(6.94,33.8) v1(6.94,33.4) v1(6.94,33) v1(6.94,32.6) v1(9.14,35.6) v1(9.14,34.6)
Net-(U1-VOS): length 23
  Top w0.16: U8.A1 23.91,22.27 22.86,22.27 22.36,22.76 22.36,24.53 22.28,24.61 22.28,24.61 v1(22.24,24.65) ; v1(11.34,31.52) 10.47,30.65 R16.1
  Bottom w0.16: v1(22.24,24.65) 21.97,24.92 19.26,24.92 18.82,24.48 17.73,24.48 17.09,25.12 17.09,30.69 16.24,31.54 11.36,31.54 v1(11.34,31.52)
  vias: v1(5.34,37.4) v1(5.34,37) v1(5.34,36.6) v1(5.34,36.2) v1(5.34,35.8) v1(5.34,35.4) v1(5.34,35) v1(5.34,34.6) v1(5.34,34.2) v1(5.34,33.8) v1(5.34,33.4) v1(5.34,33) v1(5.34,32.6) v1(5.54,37.6) v1(5.54,37.2) v1(5.54,36.8) v1(5.54,36.4) v1(5.54,36) v1(5.54,35.6) v1(5.54,35.2) v1(5.54,34.8) v1(5.54,34.4) v1(5.54,34) v1(5.54,33.6) v1(5.54,33.2) v1(5.54,32.8) v1(8.14,29.8) v1(8.34,29.4) v1(9.14,32.8) v1(9.14,32.4) v1(9.14,29.8) v1(10.54,29.8) v1(10.94,29.8)
Net-(U1-VSET): length 1
  Top w0.16: U1.9 R1.1
Net-(U2-SW):
  vias: v1(25.74,6.6) v1(26.14,7) v1(29.14,2.8) v1(29.34,3) v1(29.54,2.8) v1(29.74,3) v1(29.94,2.8) v1(30.14,3) v1(30.34,2.8) v1(30.54,3) v1(30.74,2.8) v1(30.94,3) v1(31.14,2.8) v1(31.34,3) v1(31.54,2.8) v1(31.74,3) v1(31.94,2.8) v1(32.14,3) v1(32.34,2.8) v1(32.54,3) v1(32.74,2.8) v1(32.94,3) v1(33.14,2.8) v1(33.34,3)
Net-(U2-VOS): length 27.3
  Top w0.16: v1(24.99,20.68) 24.66,21.01 U8.D2 ; v1(33.87,4.41) 33.8,4.41
  Bottom w0.16: v1(33.87,4.41) 33.28,5 24.99,5 24.57,5.42 24.56,5.42 24.1,5.89 23.49,6.5 23.49,6.5 23.17,6.82 23.17,11.07 23.36,11.26 23.36,11.26 23.54,11.43 23.54,11.43 25.52,13.42 25.52,20.09 25.03,20.58 25.03,20.64 v1(24.99,20.68)
  vias: v1(26.54,7) v1(27.34,6.8) v1(27.54,7.6) v1(29.34,4.4) v1(29.54,4.2) v1(29.74,4.4) v1(29.94,4.2) v1(30.14,4.4) v1(30.34,4.2) v1(30.54,4.4) v1(30.74,4.2) v1(30.94,4.4) v1(31.14,4.2) v1(31.34,4.4) v1(31.54,4.2) v1(31.74,4.4) v1(31.94,4.2) v1(32.14,4.4) v1(32.34,4.2) v1(32.54,4.4) v1(32.74,4.2) v1(32.94,4.4) v1(33.14,4.2) v1(33.34,4.4) v1(33.54,4.2)
Net-(U2-VSET): length 1.2
  Top w0.16: U2.9 27.29,8.18 R2.1
Net-(U3-SW):
  vias: v1(13.74,53.4) v1(13.74,53) v1(13.74,52.6) v1(13.74,52.2) v1(13.74,51.8) v1(13.94,53.6) v1(13.94,53.2) v1(13.94,52.8) v1(13.94,52.4) v1(13.94,52) v1(14.14,51.8) v1(14.54,51.8) v1(14.94,51.8)
Net-(U3-VOS): length 47.7
  Top w0.16: U8.A3 24.58,23.1 23.83,23.1 23.5,22.77 23.06,22.77 22.87,22.96 22.87,24.52 22.95,24.6 v1(22.95,24.66) ; v1(10.16,53.66) 10.43,53.39 R33.1
  Bottom w0.16: v1(10.16,53.66) 10.16,53.84 10.51,54.18 17.23,54.18 17.59,53.82 17.59,31.14 17.6,31.14 17.6,30.86 17.59,30.85 17.59,28.54 17.59,28.54 17.59,25.71 17.59,25.33 17.94,24.98 18.61,24.98 19.05,25.42 22.43,25.42 22.93,24.93 22.93,24.75 22.95,24.72 v1(22.95,24.66)
  vias: v1(10.34,53) v1(10.74,53) v1(11.14,53) v1(11.94,51.8) v1(12.14,51.6) v1(12.34,51.8) v1(12.54,51.6) v1(12.74,51.8) v1(12.94,53.6) v1(12.94,53.2) v1(12.94,52.8) v1(12.94,52.4) v1(12.94,52) v1(13.14,53.4) v1(13.14,53) v1(13.14,52.6) v1(13.14,52.2)
Net-(U3-VSET): length 4.3
  Top w0.16: R3.1 10.45,49.44 10.45,51.09 10.67,51.3 11.27,51.3 11.87,50.7 U3.9
